# Altium PCB Proyecto0.PcbDoc (part 5 of 5)
Units mm, origin at the board's own origin, x right, y up, seen from the top; angles counter-clockwise.
Board outline 65 x 45 mm, 10 copper layers (TOP, GND[1], VDD[1], Signal[1], GND[2], VDD[2], Signal[2], GND[3], VDD[3], BOT), stack 2.029 mm thick; 188 components, 257 nets, 1107 pads, 1099 vias.
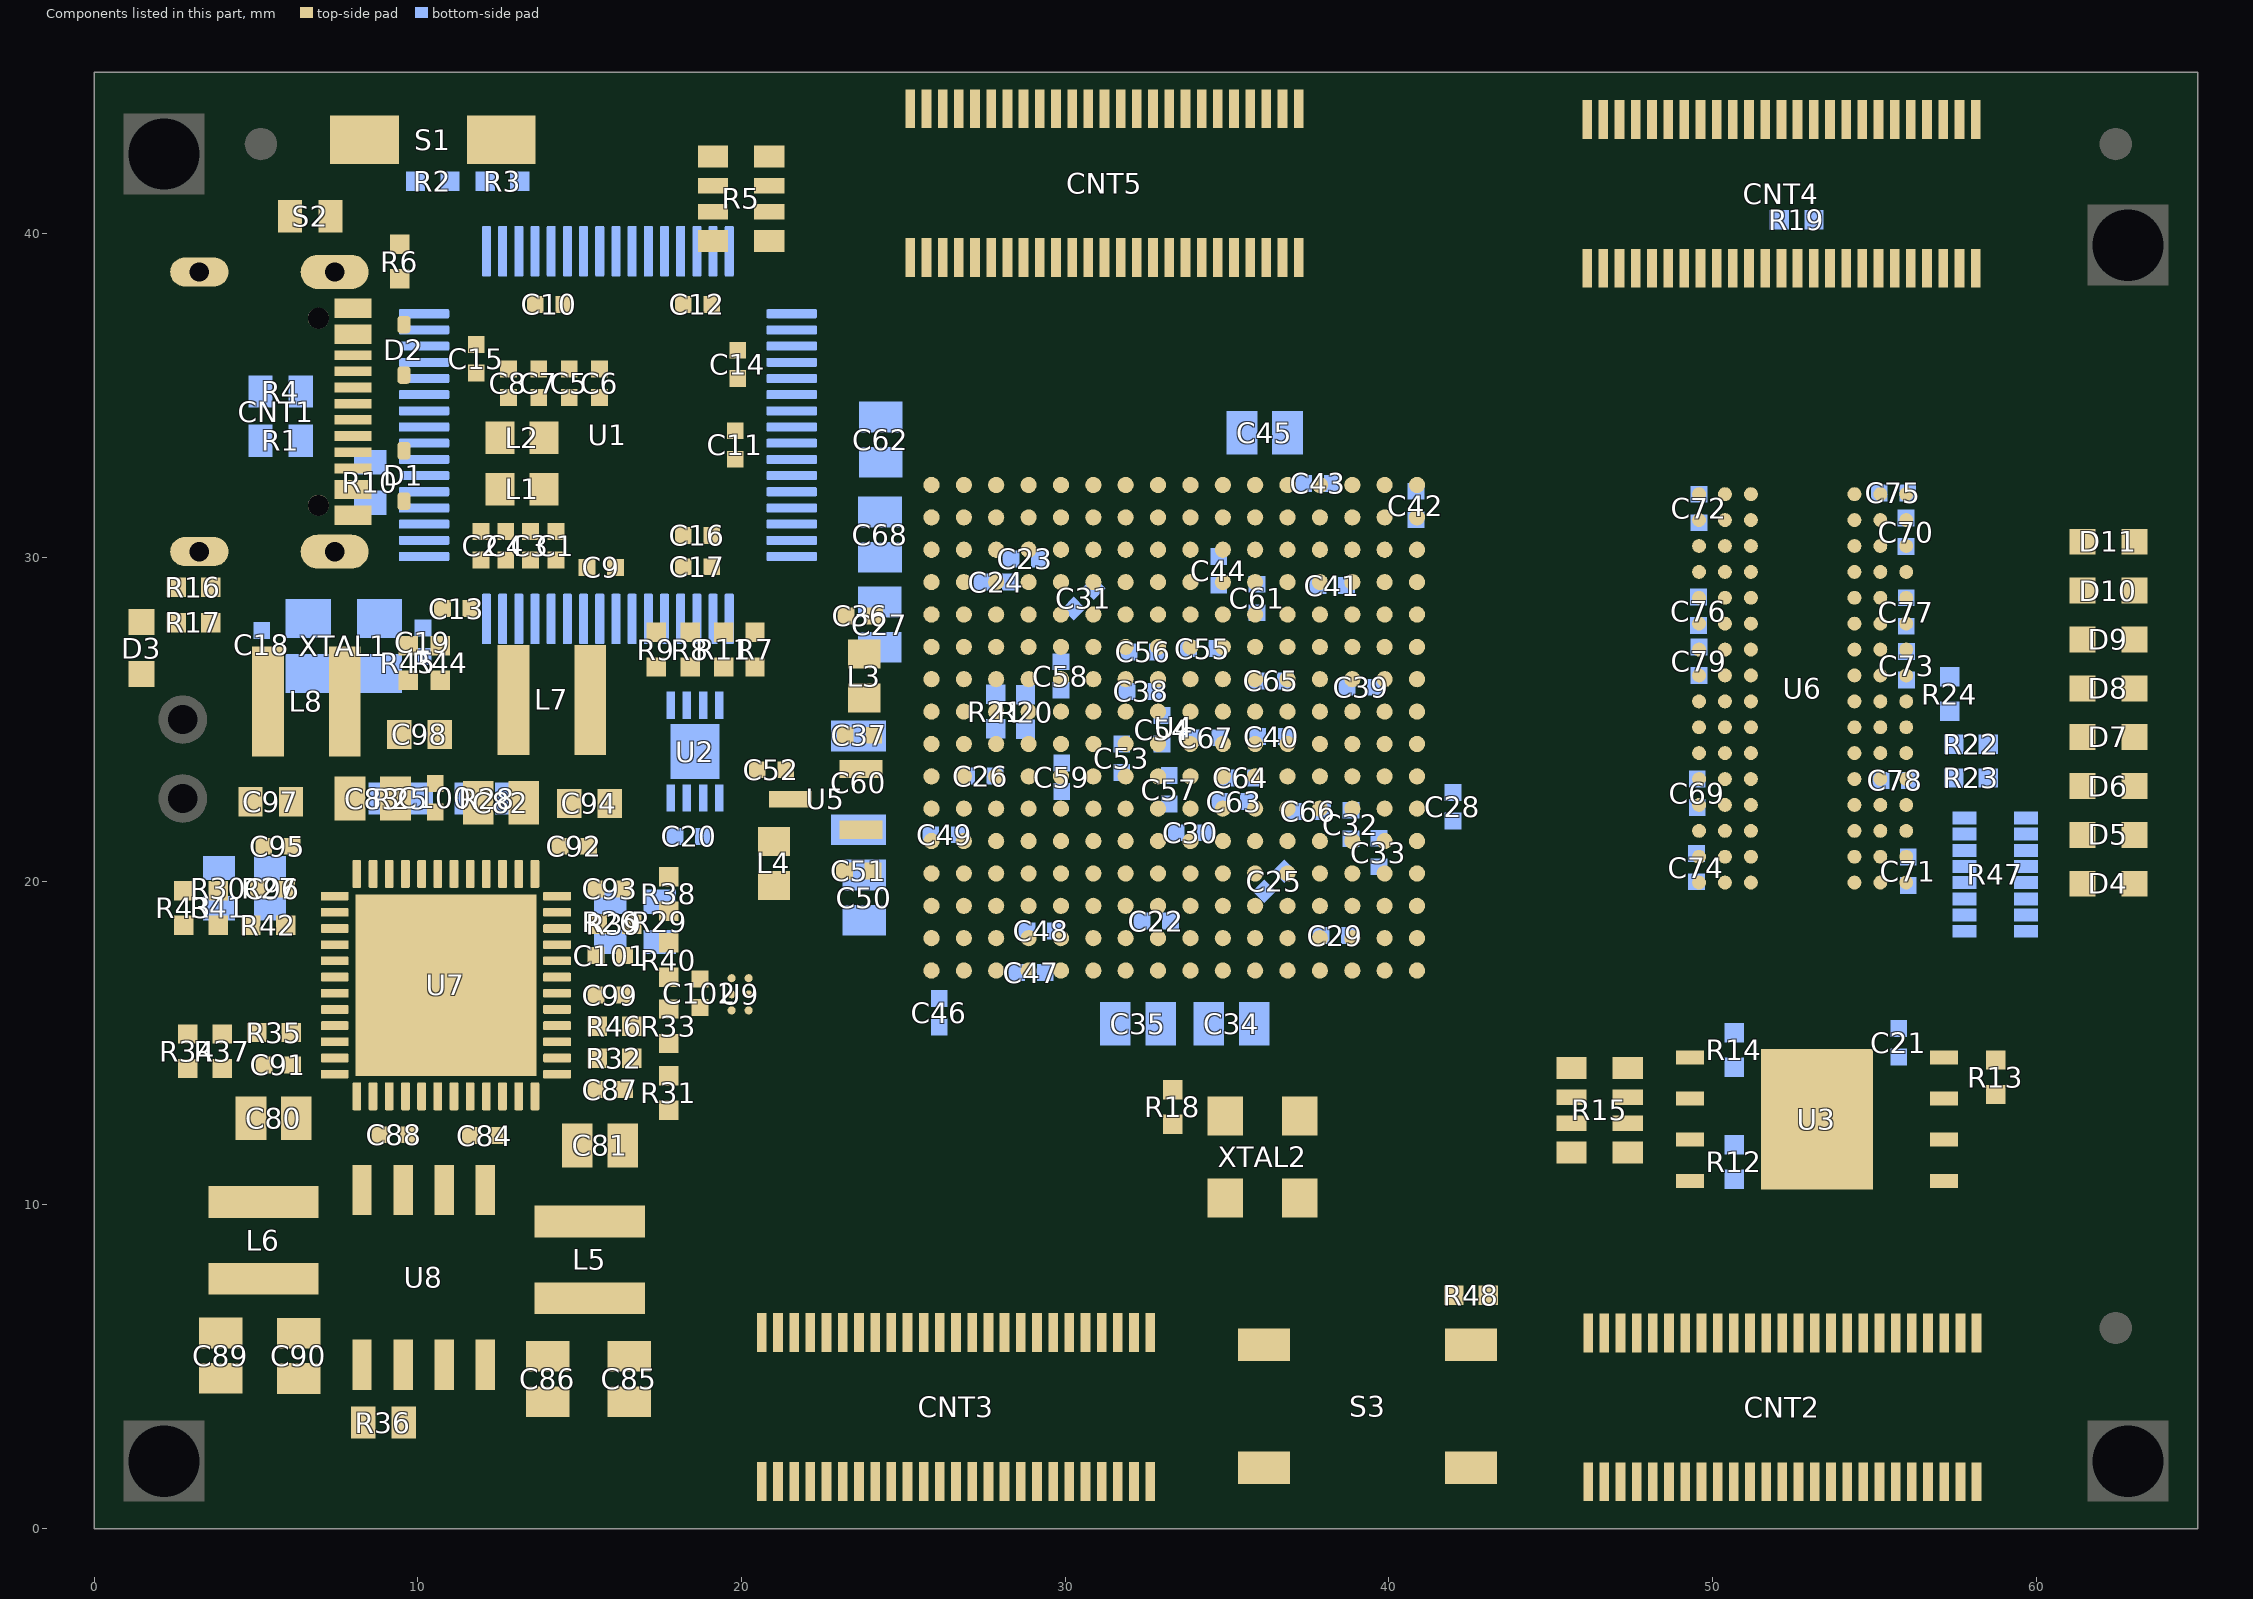
[diagram p13: the components of this part, seen from the top]

## Via types
v1: diameter 0.3, hole 0.25, TOP to BOT, tented both sides, 1081 vias
v2: diameter 0.3, hole 0.25, TOP to BOT, 18 vias

## Nets (pads, with @x,y where several pads share a name; then routed paths per layer and width w, separated by ;. In a path a pad name is that pad's centre, name@x,y a point inside that pad or via, vN(x,y) a via of type N, cw(c..) or ccw(c..) an arc to the next point about the centre after c; other vN are vias at no path point) (continued)
copper on no net: | length 12716.8
  TOP w0.025: 81.39,-79.811 152.728,-8.473 ; 81.39,-78.45 151.368,-8.473 ; 81.39,-77.09 150.007,-8.473 ; 81.39,-75.729 148.647,-8.473 ; 81.39,-74.369 147.286,-8.473 ; 81.39,-73.008 145.926,-8.473 ; 81.39,-71.648 144.565,-8.473 ; 81.39,-70.287 143.205,-8.473 ; 81.39,-68.926 141.844,-8.473 ; 81.39,-67.566 140.484,-8.473 ; 81.39,-66.205 139.123,-8.473 ; 81.39,-64.845 137.763,-8.473 ; 81.39,-63.484 136.402,-8.473 ; 81.39,-62.124 135.042,-8.473 ; 81.39,-60.763 133.681,-8.473 ; 81.39,-59.403 132.321,-8.473 ; 81.39,-58.042 130.96,-8.473 ; 81.39,-56.682 129.6,-8.473 ; 81.39,-55.321 128.239,-8.473 ; 81.39,-53.961 126.879,-8.473 ; 81.39,-52.6 125.518,-8.473 ; 81.39,-51.24 124.158,-8.473 ; 81.39,-49.879 122.797,-8.473 ; 81.39,-48.519 121.437,-8.473 ; 81.39,-47.158 120.076,-8.473 ; 81.39,-45.798 118.716,-8.473 ; 81.39,-44.437 117.355,-8.473 ; 81.39,-43.077 115.994,-8.473 ; 81.39,-41.716 114.634,-8.473 ; 81.39,-40.356 113.273,-8.473 ; 81.39,-38.995 111.913,-8.473 ; 81.39,-37.635 110.552,-8.473 ; 81.39,-36.274 109.192,-8.473 ; 81.39,-34.914 107.831,-8.473 ; 81.39,-33.553 106.471,-8.473 ; 81.39,-32.192 105.11,-8.473 ; 81.39,-30.832 103.75,-8.473 ; 81.39,-29.471 102.389,-8.473 ; 81.39,-28.111 101.029,-8.473 ; 81.39,-26.75 99.668,-8.473 ; 81.39,-25.39 98.308,-8.473 ; 81.39,-24.029 96.947,-8.473 ; 81.39,-22.669 95.587,-8.473 ; 81.39,-21.308 94.226,-8.473 ; 81.39,-19.948 92.866,-8.473 ; 81.39,-18.587 91.505,-8.473 ; 81.39,-17.227 90.145,-8.473 ; 81.39,-15.866 88.784,-8.473 ; 81.39,-14.506 87.424,-8.473 ; 81.39,-13.145 86.063,-8.473 ; 81.39,-11.785 84.703,-8.473 ; 81.39,-10.424 83.342,-8.473 ; 81.39,-9.064 81.982,-8.473 ; 82.584,-79.978 154.089,-8.473 ; 83.944,-79.978 155.45,-8.473 ; 85.305,-79.978 156.81,-8.473 ; 86.665,-79.978 158.171,-8.473 ; 88.026,-79.978 159.531,-8.473 ; 89.386,-79.978 160.892,-8.473 ; 90.747,-79.978 162.252,-8.473 ; 92.107,-79.978 163.613,-8.473 ; 93.468,-79.978 164.973,-8.473 ; 94.828,-79.978 166.334,-8.473 ; 96.189,-79.978 167.694,-8.473 ; 97.549,-79.978 169.055,-8.473 ; 98.91,-79.978 170.415,-8.473 ; 100.27,-79.978 171.776,-8.473 ; 101.631,-79.978 173.136,-8.473 ; 102.991,-79.978 174.497,-8.473 ; 104.352,-79.978 175.857,-8.473 ; 105.712,-79.978 177.218,-8.473 ; 107.073,-79.978 178.578,-8.473 ; 108.433,-79.978 179.939,-8.473 ; 109.794,-79.978 181.299,-8.473 ; 111.155,-79.978 182.66,-8.473 ; 112.515,-79.978 184.02,-8.473 ; 113.876,-79.978 184.636,-9.217 ; 115.236,-79.978 184.636,-10.578 ; 116.597,-79.978 184.636,-11.938 ; 117.957,-79.978 184.636,-13.299 ; 119.318,-79.978 184.636,-14.659 ; 120.678,-79.978 184.636,-16.02 ; 122.039,-79.978 184.636,-17.38 ; 123.399,-79.978 184.636,-18.741 ; 124.76,-79.978 184.636,-20.101 ; 126.12,-79.978 184.636,-21.462 ; 127.481,-79.978 184.636,-22.822 ; 128.841,-79.978 184.636,-24.183 ; 130.202,-79.978 184.636,-25.544 ; 131.562,-79.978 184.636,-26.904 ; 132.923,-79.978 184.636,-28.265 ; 134.283,-79.978 184.636,-29.625 ; 135.644,-79.978 184.636,-30.986 ; 137.004,-79.978 184.636,-32.346 ; 138.365,-79.978 184.636,-33.707 ; 139.725,-79.978 184.636,-35.067 ; 141.086,-79.978 184.636,-36.428 ; 142.446,-79.978 184.636,-37.788 ; 143.807,-79.978 184.636,-39.149 ; 145.167,-79.978 184.636,-40.509 ; 146.528,-79.978 184.636,-41.87 ; 147.889,-79.978 184.636,-43.23 ; 149.249,-79.978 184.636,-44.591 ; 150.61,-79.978 184.636,-45.951 ; 151.97,-79.978 184.636,-47.312 ; 153.331,-79.978 184.636,-48.672 ; 154.691,-79.978 184.636,-50.033 ; 156.052,-79.978 184.636,-51.393 ; 157.412,-79.978 184.636,-52.754 ; 158.773,-79.978 184.636,-54.114 ; 159.193,-7.4 161.507,-5.085 164.228,-2.364 166.949,0.357 169.671,3.078 172.392,5.799 175.113,8.52 177.834,11.241 180.555,13.962 183.276,16.683 184.636,18.044 ; 159.193,-6.039 160.147,-5.085 162.868,-2.364 165.589,0.357 168.31,3.078 171.031,5.799 173.752,8.52 176.473,11.241 179.194,13.962 181.915,16.683 184.636,19.404 ; 159.193,-4.679 161.507,-2.364 164.228,0.357 166.949,3.078 169.671,5.799 172.392,8.52 175.113,11.241 177.834,13.962 180.555,16.683 183.276,19.404 184.636,20.765 ; 159.193,-3.318 160.147,-2.364 162.868,0.357 165.589,3.078 168.31,5.799 171.031,8.52 173.752,11.241 176.473,13.962 179.194,16.683 181.915,19.404 184.636,22.125 ; 159.193,-1.958 161.507,0.357 164.228,3.078 166.949,5.799 169.671,8.52 172.392,11.241 175.113,13.962 177.834,16.683 180.555,19.404 183.276,22.125 184.636,23.486 ; 159.193,-0.597 160.147,0.357 162.868,3.078 165.589,5.799 168.31,8.52 171.031,11.241 173.752,13.962 176.473,16.683 179.194,19.404 181.915,22.125 184.636,24.846 ; 159.193,0.763 161.507,3.078 164.228,5.799 166.949,8.52 169.671,11.241 172.392,13.962 175.113,16.683 177.834,19.404 180.555,22.125 183.276,24.846 184.636,26.207 ; 159.193,2.124 160.147,3.078 162.868,5.799 165.589,8.52 168.31,11.241 171.031,13.962 173.752,16.683 176.473,19.404 179.194,22.125 181.915,24.846 184.636,27.567 ; 159.193,3.484 161.507,5.799 164.228,8.52 166.949,11.241 169.671,13.962 172.392,16.683 175.113,19.404 177.834,22.125 180.555,24.846 183.276,27.567 184.636,28.928 ; 159.193,4.845 160.147,5.799 162.868,8.52 165.589,11.241 168.31,13.962 171.031,16.683 173.752,19.404 176.473,22.125 179.194,24.846 181.915,27.567 184.636,30.288 ; 159.193,6.205 161.507,8.52 164.228,11.241 166.949,13.962 169.671,16.683 172.392,19.404 175.113,22.125 177.834,24.846 180.555,27.567 183.276,30.288 184.636,31.649 ; 159.193,7.566 160.147,8.52 162.868,11.241 165.589,13.962 168.31,16.683 171.031,19.404 173.752,22.125 176.473,24.846 179.194,27.567 181.915,30.288 184.636,33.009 ; 159.193,8.926 161.507,11.241 164.228,13.962 166.949,16.683 169.671,19.404 172.392,22.125 175.113,24.846 177.834,27.567 180.555,30.288 183.276,33.009 184.636,34.37 ; 159.193,10.287 160.147,11.241 162.868,13.962 165.589,16.683 168.31,19.404 171.031,22.125 173.752,24.846 176.473,27.567 179.194,30.288 181.915,33.009 184.636,35.73 ; 159.193,11.647 161.507,13.962 164.228,16.683 166.949,19.404 169.671,22.125 172.392,24.846 175.113,27.567 177.834,30.288 180.555,33.009 183.276,35.73 184.636,37.091 ; 159.193,13.008 160.147,13.962 162.868,16.683 165.589,19.404 168.31,22.125 171.031,24.846 173.752,27.567 176.473,30.288 179.194,33.009 181.915,35.73 184.636,38.451 ; 159.193,14.368 161.507,16.683 164.228,19.404 166.949,22.125 169.671,24.846 172.392,27.567 175.113,30.288 177.834,33.009 180.555,35.73 183.276,38.451 184.636,39.812 ; 159.193,15.729 160.147,16.683 162.868,19.404 165.589,22.125 168.31,24.846 171.031,27.567 173.752,30.288 176.473,33.009 179.194,35.73 181.915,38.451 184.636,41.172 ; 159.193,17.089 161.507,19.404 164.228,22.125 166.949,24.846 169.671,27.567 172.392,30.288 175.113,33.009 177.834,35.73 180.555,38.451 183.276,41.172 184.636,42.533 ; 159.193,18.45 160.147,19.404 162.868,22.125 165.589,24.846 168.31,27.567 171.031,30.288 173.752,33.009 176.473,35.73 179.194,38.451 181.915,41.172 184.636,43.894 ; 159.193,19.81 161.507,22.125 164.228,24.846 166.949,27.567 169.671,30.288 172.392,33.009 175.113,35.73 177.834,38.451 180.555,41.172 183.276,43.894 184.636,45.254 ; 159.193,21.171 160.147,22.125 162.868,24.846 165.589,27.567 168.31,30.288 171.031,33.009 173.752,35.73 176.473,38.451 179.194,41.172 181.915,43.894 184.636,46.615 ; 159.193,22.531 161.507,24.846 164.228,27.567 166.949,30.288 169.671,33.009 172.392,35.73 175.113,38.451 177.834,41.172 180.555,43.894 183.276,46.615 184.636,47.975 ; 159.193,23.892 160.147,24.846 162.868,27.567 165.589,30.288 168.31,33.009 171.031,35.73 173.752,38.451 176.473,41.172 179.194,43.894 181.915,46.615 184.636,49.336 ; 159.193,25.252 161.507,27.567 164.228,30.288 166.949,33.009 169.671,35.73 172.392,38.451 175.113,41.172 177.834,43.894 180.555,46.615 183.276,49.336 184.636,50.696 ; 159.193,26.613 160.147,27.567 162.868,30.288 165.589,33.009 168.31,35.73 171.031,38.451 173.752,41.172 176.473,43.894 179.194,46.615 181.915,49.336 184.636,52.057 ; 159.193,27.973 161.507,30.288 164.228,33.009 166.949,35.73 169.671,38.451 172.392,41.172 175.113,43.894 177.834,46.615 180.555,49.336 183.276,52.057 184.636,53.417 ; 159.193,29.334 160.147,30.288 162.868,33.009 165.589,35.73 168.31,38.451 171.031,41.172 173.752,43.894 176.473,46.615 179.194,49.336 181.915,52.057 184.636,54.778 ; 159.193,30.695 161.507,33.009 164.228,35.73 166.949,38.451 169.671,41.172 172.392,43.894 175.113,46.615 177.834,49.336 180.555,52.057 183.276,54.778 ; 159.193,32.055 160.147,33.009 162.868,35.73 165.589,38.451 168.31,41.172 171.031,43.894 173.752,46.615 176.473,49.336 179.194,52.057 181.915,54.778 ; 159.193,33.416 161.507,35.73 164.228,38.451 166.949,41.172 169.671,43.894 172.392,46.615 175.113,49.336 177.834,52.057 180.555,54.778 ; 159.193,34.776 160.147,35.73 162.868,38.451 165.589,41.172 168.31,43.894 171.031,46.615 173.752,49.336 176.473,52.057 179.194,54.778 ; 159.193,36.137 161.507,38.451 164.228,41.172 166.949,43.894 169.671,46.615 172.392,49.336 175.113,52.057 177.834,54.778 ; 159.193,37.497 160.147,38.451 162.868,41.172 165.589,43.894 168.31,46.615 171.031,49.336 173.752,52.057 176.473,54.778 ; 159.193,38.858 161.507,41.172 164.228,43.894 166.949,46.615 169.671,49.336 172.392,52.057 175.113,54.778 ; 159.193,40.218 160.147,41.172 162.868,43.894 165.589,46.615 168.31,49.336 171.031,52.057 173.752,54.778 ; 159.193,41.579 161.507,43.894 164.228,46.615 166.949,49.336 169.671,52.057 172.392,54.778 ; 159.193,42.939 160.147,43.894 162.868,46.615 165.589,49.336 168.31,52.057 171.031,54.778 ; 159.193,44.3 161.507,46.615 164.228,49.336 166.949,52.057 169.671,54.778 ; 159.193,45.66 160.147,46.615 162.868,49.336 165.589,52.057 168.31,54.778 ; 159.193,47.021 161.507,49.336 164.228,52.057 166.949,54.778 ; 159.193,48.381 160.147,49.336 162.868,52.057 165.589,54.778 ; 159.193,49.742 161.507,52.057 164.228,54.778 ; 159.193,51.102 160.147,52.057 162.868,54.778 ; 159.193,52.463 161.507,54.778 ; 159.193,53.823 160.147,54.778 ; 160.133,-79.978 184.636,-55.475 ; 160.147,-7.806 162.868,-5.085 165.589,-2.364 168.31,0.357 171.031,3.078 173.752,5.799 176.473,8.52 179.194,11.241 181.915,13.962 184.636,16.683 ; 161.494,-79.978 184.636,-56.835 ; 161.507,-7.806 164.228,-5.085 166.949,-2.364 169.671,0.357 172.392,3.078 175.113,5.799 177.834,8.52 180.555,11.241 183.276,13.962 184.636,15.323 ; 162.854,-79.978 184.636,-58.196 ; 162.868,-7.806 165.589,-5.085 168.31,-2.364 171.031,0.357 173.752,3.078 176.473,5.799 179.194,8.52 181.915,11.241 184.636,13.962 ; 164.215,-79.978 184.636,-59.556 ; 164.228,-7.806 166.949,-5.085 169.671,-2.364 172.392,0.357 175.113,3.078 177.834,5.799 180.555,8.52 183.276,11.241 184.636,12.602 ; 165.575,-79.978 184.636,-60.917 ; 165.589,-7.806 168.31,-5.085 171.031,-2.364 173.752,0.357 176.473,3.078 179.194,5.799 181.915,8.52 184.636,11.241 ; 166.936,-79.978 184.636,-62.277 ; 166.949,-7.806 169.671,-5.085 172.392,-2.364 175.113,0.357 177.834,3.078 180.555,5.799 183.276,8.52 184.636,9.881 ; 168.296,-79.978 184.636,-63.638 ; 168.31,-7.806 171.031,-5.085 173.752,-2.364 176.473,0.357 179.194,3.078 181.915,5.799 184.636,8.52 ; 169.657,-79.978 184.636,-64.999 ; 169.671,-7.806 172.392,-5.085 175.113,-2.364 177.834,0.357 180.555,3.078 183.276,5.799 184.636,7.16 ; 171.017,-79.978 184.636,-66.359 ; 171.031,-7.806 173.752,-5.085 176.473,-2.364 179.194,0.357 181.915,3.078 184.636,5.799 ; 172.378,-79.978 184.636,-67.72 ; 172.392,-7.806 175.113,-5.085 177.834,-2.364 180.555,0.357 183.276,3.078 184.636,4.439 ; 173.738,-79.978 184.636,-69.08 ; 173.752,-7.806 176.473,-5.085 179.194,-2.364 181.915,0.357 184.636,3.078 ; 175.099,-79.978 184.636,-70.441 ; 175.113,-7.806 177.834,-5.085 180.555,-2.364 183.276,0.357 184.636,1.717 ; 176.459,-79.978 184.636,-71.801 ; 176.473,-7.806 179.194,-5.085 181.915,-2.364 184.636,0.357 ; 177.82,-79.978 184.636,-73.162 ; 177.834,-7.806 180.555,-5.085 183.276,-2.364 184.636,-1.004 ; 179.18,-79.978 184.636,-74.522 ; 179.194,-7.806 181.915,-5.085 184.636,-2.364 ; 180.541,-79.978 184.636,-75.883 ; 180.555,-7.806 183.276,-5.085 184.636,-3.725 ; 181.901,-79.978 184.636,-77.243 ; 181.915,-7.806 184.636,-5.085 ; 183.262,-79.978 184.636,-78.604 ; 183.276,-7.806 184.636,-6.446
  TOP w0.152: 35.873,25.241 35.902,25.241
  TOP w0.381: 81.39,-5.085 90.74,-5.085 111.877,-5.085 131.427,-5.085 146.216,-5.085 159.193,-5.085 184.636,-5.085 ; 81.39,-2.364 90.74,-2.364 111.877,-2.364 131.427,-2.364 146.216,-2.364 159.193,-2.364 184.636,-2.364 ; 81.39,0.357 90.74,0.357 111.877,0.357 131.427,0.357 146.216,0.357 159.193,0.357 184.636,0.357 ; 81.39,3.078 90.74,3.078 111.877,3.078 131.427,3.078 146.216,3.078 159.193,3.078 184.636,3.078 ; 81.39,5.799 90.74,5.799 111.877,5.799 131.427,5.799 146.216,5.799 159.193,5.799 184.636,5.799 ; 81.39,8.52 90.74,8.52 111.877,8.52 131.427,8.52 146.216,8.52 159.193,8.52 184.636,8.52 ; 81.39,11.241 90.74,11.241 111.877,11.241 131.427,11.241 146.216,11.241 159.193,11.241 184.636,11.241 ; 81.39,13.962 90.74,13.962 111.877,13.962 131.427,13.962 146.216,13.962 159.193,13.962 184.636,13.962 ; 81.39,16.683 90.74,16.683 111.877,16.683 131.427,16.683 146.216,16.683 159.193,16.683 184.636,16.683 ; 81.39,19.404 90.74,19.404 111.877,19.404 131.427,19.404 146.216,19.404 159.193,19.404 184.636,19.404 ; 81.39,22.125 90.74,22.125 111.877,22.125 131.427,22.125 146.216,22.125 159.193,22.125 184.636,22.125 ; 81.39,24.846 90.74,24.846 111.877,24.846 131.427,24.846 146.216,24.846 159.193,24.846 184.636,24.846 ; 81.39,27.567 90.74,27.567 111.877,27.567 131.427,27.567 146.216,27.567 159.193,27.567 184.636,27.567 ; 81.39,30.288 90.74,30.288 111.877,30.288 131.427,30.288 146.216,30.288 159.193,30.288 184.636,30.288 ; 81.39,33.009 90.74,33.009 111.877,33.009 131.427,33.009 146.216,33.009 159.193,33.009 184.636,33.009 ; 81.39,35.73 90.74,35.73 111.877,35.73 131.427,35.73 146.216,35.73 159.193,35.73 184.636,35.73 ; 81.39,38.451 90.74,38.451 111.877,38.451 131.427,38.451 146.216,38.451 159.193,38.451 184.636,38.451 ; 81.39,41.172 90.74,41.172 111.877,41.172 131.427,41.172 146.216,41.172 159.193,41.172 184.636,41.172 ; 81.39,43.894 90.74,43.894 111.877,43.894 131.427,43.894 146.216,43.894 159.193,43.894 184.636,43.894 ; 81.39,46.615 90.74,46.615 111.877,46.615 131.427,46.615 146.216,46.615 159.193,46.615 184.636,46.615 ; 81.39,49.336 90.74,49.336 111.877,49.336 131.427,49.336 146.216,49.336 159.193,49.336 184.636,49.336 ; 81.39,52.057 90.74,52.057 111.877,52.057 131.427,52.057 146.216,52.057 159.193,52.057 184.636,52.057 ; 81.39,54.778 184.636,54.778 ; 90.74,57.499 90.74,-7.806 ; 111.877,57.499 111.877,-7.806 ; 131.427,57.499 131.427,-7.806 ; 146.216,57.499 146.216,-7.806 ; 159.193,57.499 159.193,-7.806 ; 90.74,-7.806 81.39,-7.806 81.39,57.499 184.636,57.499 184.636,-7.806 159.193,-7.806 ; 90.74,-7.806 111.877,-7.806 ; 111.877,-7.806 131.427,-7.806 ; 131.427,-7.806 146.216,-7.806 ; 146.216,-7.806 159.193,-7.806 ; 81.39,-79.964 184.636,-79.964 184.636,-8.486 81.39,-8.486 81.39,-14.84 81.39,-79.964

## Polygon pours and split planes (outlines as drawn)
NetR7_1 on TOP "NETR7_1_L01_P154" (solid, pour order 154): 19.126,26.924 20.752,26.924 20.752,26.289 19.126,26.289
GND on TOP "GND_L01_P213" (solid, remove dead copper, pour order 213): 0,41 0,45 65,45 65,0 0,0
+3V3 on TOP "+3V3_L01_P143" (solid, pour order 143): 17.374,4.775 13.183,4.775 13.183,7.671 17.374,7.671
NetC84_2 on TOP "TOP-NetC85_2" (solid, pour order 141): 10.414,8.788 17.399,8.788 17.399,10.744 12.802,10.744 12.802,13.818 11.938,13.818 11.938,12.827 12.167,12.827 12.167,11.278 10.439,11.278 10.414,11.278
NetC88_2 on TOP "TOP-NetC89_2" (solid, pour order 140): 2.794,9.525 9.957,9.525 9.957,11.43 9.296,11.43 9.296,13.792 8.458,13.792 8.458,11.43 2.794,11.43
+1V on TOP "+1V_L01_P139" (solid, pour order 139): 7.264,5.461 3.073,5.461 3.073,8.357 7.264,8.357
GND on TOP "GND_L01_P144" (solid, pour order 144): 17.526,4.445 17.526,3.175 10.338,3.175 10.338,5.969 11.43,5.969 11.43,4.064 12.929,4.064 12.929,4.445
GND on TOP "TOP-GND" (solid, pour order 142): 7.239,3.968 7.239,2.743 8.763,2.743 8.763,4.013 8.763,5.969 7.874,5.969 7.874,5.232 7.29,5.232 3.073,5.232 3.073,3.968
NetR38_1 on TOP "NETR38_1_L01_P208" (solid, pour order 208): 17.424,19.38 17.424,17.78 18.796,17.78 18.796,19.38
VPLL on TOP "VPLL_L01_P206" (solid, pour order 206): 13.081,33.147 13.081,34.544 16.002,34.544 16.002,35.306 12.192,35.306 11.557,34.671 11.557,33.909 11.938,33.528 11.938,33.147
VPHY on TOP "VPHY_L01_P205" (solid, pour order 205): 14.605,31.115 14.605,30.48 11.049,30.48 11.049,31.648 11.074,31.648 12.192,32.766 13.081,32.766 13.081,31.115
+3V3 on TOP "+3V3_L01_P204" (solid, pour order 204): 52.324,38.278 51.918,38.278 51.918,39.954 49.657,39.954 49.657,41.021 52.324,41.021
+5V on TOP "+5V_L01_P201" (solid, pour order 201): 13.64,43.637 13.64,42.139 10.668,42.139 10.668,43.637
+3V3 on TOP "+3V3_L01_P187" (solid, pour order 187): 42.418,7.747 42.418,6.756 40.767,6.756 40.767,7.747
RESET on TOP "TOP-+3V3" (solid, pour order 181): 34.95,4.953 44.069,4.953 44.069,7.823 42.545,7.823 42.545,6.629 34.95,6.629
BVUS_PROTECTED on TOP "TOP-BVUS_PROTECTED" (solid, pour order 178): 10.16,42.037 10.16,43.815 6.858,43.815 6.858,39.878 8.382,39.878 8.382,42.037
+3V3 on TOP "+3V3_L01_P159" (solid, pour order 159): 59.411,15.113 56.642,15.113 56.642,14.097 59.411,14.097
+1V8 on TOP "+1V8_L01_P152" (solid, pour order 152): 14.815,27.33 14.815,23.851 15.494,23.851 15.494,21.92 16.916,21.92 16.916,27.33
+1V35 on TOP "+1V35_L01_P147" (solid, pour order 147): 3.658,27.076 4.14,27.076 4.14,27.432 5.969,27.432 5.969,23.8 5.232,23.8 5.232,21.971 3.658,21.971
+5V on TOP "TOP-+5V" (solid, pour order 135): 5.551,11.887 7.126,11.887 7.126,12.667 7.134,12.675 8.306,12.675 8.306,13.792 7.899,13.792 7.899,14.808 6.96,14.808 6.96,13.792 5.551,13.792
AGND on TOP "TOP-AGND" (solid, pour order 158): 22.352,19.939 23.495,19.939 23.495,20.955 22.581,20.955 22.581,22.86 20.828,22.86 20.828,23.927 20.091,23.927 20.091,22.225 20.091,20.752 22.352,20.752
+5V on TOP "+5V_L01_P138" (solid, pour order 138): 12.954,13.818 12.954,12.7 12.954,11.049 15.494,11.049 15.494,12.675 13.868,12.675 13.843,12.7 13.843,13.818
+1V8' on TOP "+1V8'_L01_P170" (solid, pour order 170): 10.236,26.67 11.125,26.67 11.125,23.927 10.236,23.927
DONE on TOP "DONE_L01_P188" (solid, pour order 188): 4.064,27.534 3.175,27.534 3.175,29.54 4.445,29.54 4.445,28.6 4.064,28.6
BVUS on TOP "TOP-BVUS" (solid, pour order 163): 7.341,37.262 7.194,37.116 cw(c6.934,37.376) 6.934,37.008 cw(c6.934,37.376) 6.674,37.116 6.528,37.262 5.969,37.262 5.969,39.802 6.528,39.802 6.528,41.199 4.445,41.199 4.445,31.775 6.553,31.775 6.674,31.896 cw(c6.934,31.636) 6.934,32.004 cw(c6.934,31.636) 7.194,31.896 7.315,31.775 8.636,31.775 8.636,32.436 6.604,32.436 6.604,36.551 8.636,36.551 8.636,37.262
+1V25_VREF_ADC on TOP "+1V25_VREF_ADC_L01_P203" (solid, pour order 203): 52.934,44.196 52.934,41.275 54.452,41.275 54.452,42.164 53.34,42.164 53.34,44.196
AGND on TOP "AGND_L01_P202" (solid, pour order 202): 52.832,44.196 52.832,41.275 51.308,41.275 51.308,42.164 52.426,42.164 52.426,44.196
+1V8 on TOP "+1V8_L01_P182" (solid, pour order 182): 50.909,42.494 50.909,44.198 51.849,44.198 51.849,42.494
QSPI_DATA3_T on TOP "QSPI_DATA3_T_L01_P160" (solid, pour order 160): 59.411,13.863 56.642,13.863 56.642,12.847 59.411,12.847
GND on TOP "GND_L01_P218" (solid, pour order 218): 7.112,19.685 7.122,19.685 7.874,19.685 7.874,19.583 8.077,19.583 8.077,19.406 7.01,19.406 7.01,19.685
GND on TOP "GND_L01_P217" (solid, pour order 217): 14.732,14.681 14.732,14.402 13.564,14.402 13.564,14.681
GND on TOP "GND_L01_P216" (solid, pour order 216): 12.929,20.625 13.284,20.625 13.284,19.38 12.929,19.38
GND on TOP "GND_L01_P215" (solid, pour order 215): 8.458,19.507 8.458,20.726 8.788,20.726 8.788,19.507
+3V3 on TOP "+3V3_L01_P189" (solid, pour order 189): 45.466,43.637 45.923,43.637 45.923,42.85 46.33,42.85 46.33,44.196 45.466,44.196
+1V8_VCC_ADC on TOP "+1V8_VCC_ADC_L01_P156" (solid, pour order 156): 24.409,24.181 24.409,26.162 22.733,26.162 22.733,25.146 23.8,25.146 23.8,24.181
GND on TOP "GND_L01_P145" (solid, pour order 145): 15.773,12.649 16.967,12.649 16.967,12.37 18.186,12.37 18.186,11.024 15.773,11.024
+3V3 on TOP "+3V3_L01_P146" (solid, pour order 146): 17.297,13.335 18.669,13.335 18.669,12.497 17.297,12.497
+1V8' on TOP "+1V8'_L01_P155" (solid, pour order 155): 24.409,28.473 24.409,26.518 22.479,26.518 22.479,27.508 23.774,27.508 23.774,28.473
GND on TOP "GND_L01_P166" (solid, pour order 166): 34.874,3.429 34.874,0.838 43.764,0.838 43.764,3.429
GND on TOP "GND_L01_P169" (solid, pour order 169): 21.666,20.472 21.666,18.923 20.295,18.923 20.295,20.472
+3V3 on TOP "+3V3_L01_P171" (solid, pour order 171): 18.288,16.485 19.152,16.485 19.152,16.256 19.939,16.256 19.939,15.494 18.288,15.494
GND on TOP "GND_L01_P179" (solid, pour order 179): 8.636,31.648 8.636,29.591 6.223,29.591 6.223,31.115 7.366,31.115 7.366,31.648
GND on TOP "GND_L01_P180" (solid, pour order 180): 8.636,37.338 8.636,39.395 6.223,39.395 6.223,37.871 7.366,37.871 7.366,37.338
GND on TOP "GND_L01_P183" (solid, pour order 183): 36.246,12.014 37.973,12.014 37.973,13.538 36.246,13.538
+5V on TOP "+5V_L01_P207" (solid, pour order 207): 12.344,19.736 12.344,21.717 12.344,23.089 11.379,23.089 11.379,21.742 11.938,21.742 11.938,19.736
+3V3 on TOP "TOP-+3V3 2" (solid, pour order 210): 25.019,20.828 24.79,20.828 24.79,21.336 25.019,21.336
+3V3 on TOP "TOP-+3V3 1" (solid, pour order 184): 33.401,9.042 38.024,9.042 38.024,11.557 34.214,11.557 34.214,13.03 32.766,13.03 32.766,11.557 33.401,11.557
+3V3 on TOP "TOP-+3V3 2" (solid, pour order 209): 22.885,22.098 24.333,22.098 24.333,19.939 23.546,19.939 23.546,21.082 22.885,21.082
+1V25_VREF_ADC on TOP "TOP-+1V25_VREF_ADC" (solid, pour order 191): 22.098,23.876 24.536,23.876 24.536,22.657 23.114,22.657 23.114,23.089 20.955,23.089 20.955,24.384 22.098,24.384
VREG on TOP "TOP-VREG" (solid, pour order 137): 14.859,17.221 15.265,17.221 15.265,17.399 16.002,17.399 16.002,18.085 15.215,18.085 15.215,17.78 13.843,17.78 13.843,16.815 14.859,16.815
GND on TOP "TOP-GND 1" (solid, pour order 148): 16.078,15.062 17.272,15.062 17.272,15.697 18.237,15.697 18.237,16.637 19.05,16.637 19.05,17.374 18.11,17.374 17.323,17.374 17.323,18.085 16.078,18.085
+3V3 on BOT "+3V3_L10_P192" (solid, pour order 192): 25.476,26.797 25.121,26.797 25.121,26.67 23.495,26.67 23.495,27.813 25.121,27.813 25.121,27.229 25.476,27.229
GND on BOT "GND_L10_P212" (solid, remove dead copper, pour order 212): 0,41 0,45 65,45 65,0 0,0
Enable_CH3 on BOT "ENABLE_CH3_L10_P151" (solid, pour order 151): 15.418,19.761 18.009,19.761 18.009,18.974 15.418,18.974
NetR2_1 on BOT "NETR2_1_L10_P165" (solid, pour order 165): 10.541,42.037 12.573,42.037 12.573,41.148 10.541,41.148
BVUS_PROTECTED on BOT "BVUS_PROTECTED_L10_P164" (solid, pour order 164): 10.338,41.173 9.398,41.173 9.398,43.713 10.338,43.713
+3V3 on BOT "+3V3_L10_P161" (solid, pour order 161): 50.089,16.256 50.089,14.948 51.689,14.948 51.689,16.256
+3V3 on BOT "+3V3_L10_P190" (solid, pour order 190): 52.511,40.889 49.784,40.889 49.784,39.954 52.511,39.954
+1V8 on BOT "+1V8_L10_P194" (solid, pour order 194): 23.571,29.489 25.527,29.489 25.527,29.972 25.527,30.505 23.571,30.505
GND on BOT "GND_L10_P149" (solid, pour order 149): 12.344,23.19 14.351,23.19 14.351,21.59 13.589,21.59 13.589,21.996 12.344,21.996
Enable_CH1y5 on BOT "ENABLE_CH1Y5_L10_P150" (solid, pour order 150): 9.652,23.114 12.014,23.114 12.014,21.971 9.652,21.971
Enable_CH4 on BOT "ENABLE_CH4_L10_P153" (solid, pour order 153): 3.327,19.558 5.969,19.558 5.969,18.771 3.327,18.771
GND on BOT "GND_L10_P157" (solid, pour order 157): 22.606,20.955 22.606,22.606 24.638,22.606 24.638,20.955
+3V3 on BOT "+3V3_L10_P162" (solid, pour order 162): 51.257,10.109 51.257,11.151 49.962,11.151 49.962,10.109
GND on BOT "GND_L10_P167" (solid, pour order 167): 22.962,17.841 23.8,17.841 23.8,18.237 24.649,18.237 24.649,19.304 22.962,19.304
+3V3/+1V8 on BOT "+3V3/+1V8_L10_P168" (solid, pour order 168): 22.962,20.777 25.019,20.777 25.019,19.545 22.962,19.545
+1V on BOT "+1V_L10_P172" (solid, pour order 172): 16.51,18.567 16.51,17.602 16.129,17.602 16.129,17.018 15.24,17.018 15.24,18.542 15.215,18.567
0V75 on BOT "0V75_L10_P173" (solid, pour order 173): 56.998,24.689 57.912,24.689 57.912,22.733 56.998,22.733
+1V35 on BOT "+1V35_L10_P174" (solid, pour order 174): 58.039,25.019 58.928,25.019 58.928,23.749 58.039,23.749
GND on BOT "GND_L10_P175" (solid, pour order 175): 58.039,23.647 58.039,22.352 58.928,22.352 58.928,23.647
+1V35 on BOT "+1V35_L10_P177" (solid, pour order 177): 36.246,33.122 37.503,33.122 37.503,33.401 37.897,33.401 37.897,34.671 36.246,34.671
GND on BOT "GND_L10_P185" (solid, pour order 185): 32.385,16.383 32.385,14.021 33.274,14.021 33.274,14.757 33.553,14.757 33.553,16.383
GND on BOT "GND_L10_P186" (solid, pour order 186): 35.027,14.478 34.163,14.478 34.163,14.859 33.782,14.859 33.782,16.383 35.027,16.383
GND on BOT "GND_L10_P193" (solid, pour order 193): 23.114,28.626 23.597,28.626 23.597,28.092 24.994,28.092 24.994,29.159 23.114,29.159
GND on BOT "GND_L10_P195" (solid, pour order 195): 25.019,33.466 23.571,33.466 23.571,30.861 25.019,30.861 25.019,32.348
+1V on BOT "+1V_L10_P196" (solid, pour order 196): 25.019,33.822 23.571,33.822 23.571,35.244 24.079,35.244 24.079,34.939 25.019,34.939
12MHz_XTAL_P on BOT "12MHZ_XTAL_P_L10_P197" (solid, pour order 197): 4.851,27.178 7.366,27.178 7.366,25.654 4.851,25.654
no net on BOT "NONET_L10_P198" (solid, pour order 198): 4.851,27.178 7.366,27.178 7.366,25.654 4.851,25.654
GND on BOT "GND_L10_P199" (solid, pour order 199): 4.851,28.878 7.366,28.878 7.366,27.354 4.851,27.354
GND on BOT "GND_L10_P200" (solid, pour order 200): 8.103,25.4 9.398,25.4 10.16,25.4 10.185,25.425 10.185,26.543 10.541,26.543 10.541,27.305 8.103,27.305
GND on Signal[2] "GND_L07_P214" (solid, remove dead copper, pour order 214): 0,41 0,45 65,45 65,0 0,0
GND on Signal[1] "GND_L04_P211" (solid, remove dead copper, pour order 211): 0,41 0,45 65,45 65,0 0,0
GND on GND[1] (split plane): 64.489,0.51 0.51,0.51 0.51,41 0.51,44.49 64.489,44.49
+3V3 on VDD[1] (split plane): 64.489,0.51 0.51,0.51 0.51,41 0.51,44.49 64.489,44.49
VCORE on VDD[1] (split plane): 12.495,30.988 12.501,30.958 12.518,30.933 12.543,30.916 12.573,30.91 18.694,30.91 18.724,30.916 18.749,30.933 18.766,30.958 18.772,30.988 18.772,31.623 18.772,35.914 20.826,35.914 20.826,33.656 20.142,33.656 20.112,33.651 20.087,33.634 20.07,33.609 20.064,33.579 20.064,32.715 20.07,32.685 20.087,32.66 20.112,32.643 20.142,32.637 20.801,32.637 20.801,29.77 14.859,29.77 14.829,29.764 14.804,29.748 14.787,29.722 14.781,29.693 14.781,28.602 10.314,28.602 10.314,36.397 12.495,36.397
+1V8' on VDD[1] (split plane): 23.417,26.646 20.853,26.646 20.824,26.64 20.798,26.623 20.782,26.598 20.776,26.568 20.776,24.919 10.161,24.919 10.161,26.313 19.736,26.313 19.765,26.319 19.791,26.336 19.808,26.361 19.813,26.391 19.813,27.557 20.237,27.557 20.443,27.352 20.468,27.335 20.498,27.329 22.327,27.329 22.356,27.335 22.381,27.352 22.587,27.557 23.417,27.557
+3V3/+1V8 on VDD[1] (split plane): 28.751,18.313 28.751,15.47 20.144,15.47 20.144,16.503 24.416,20.776 25.883,20.776 25.912,20.782 25.937,20.798 27.083,21.944 28.751,21.944
+1V8_VCC_ADC on VDD[1] (split plane): 33.399,24.919 20.931,24.919 20.931,26.491 25.832,26.491 25.861,26.497 25.887,26.513 25.904,26.539 25.909,26.568 25.909,27.557 33.399,27.557
0V75 on VDD[1] (split plane): 55.802,23.192 49.582,23.192 49.582,25.578 49.582,26.389 55.802,26.389
GND on GND[2] (split plane): 64.489,0.51 0.51,0.51 0.51,41 0.51,44.49 64.489,44.49
+5V on VDD[2] (split plane): 64.489,0.51 0.51,0.51 0.51,41 0.51,44.49 64.489,44.49
+1V25_VREF_ADC on VDD[2] (split plane): 54.481,38.675 41.097,38.675 41.067,38.669 41.042,38.653 41.025,38.627 41.019,38.598 41.019,34.952 33.757,34.952 33.727,34.946 33.702,34.929 33.685,34.904 33.679,34.874 33.679,22.149 33.679,19.153 21.007,19.153 21.007,23.468 26.11,23.468 26.11,22.176 22.811,22.176 22.811,22.987 22.805,23.017 22.788,23.042 22.763,23.059 22.733,23.065 21.844,23.065 21.814,23.059 21.789,23.042 21.772,23.017 21.766,22.987 21.766,20.066 21.772,20.036 21.789,20.011 21.814,19.994 21.844,19.988 32.106,19.988 32.135,19.994 32.16,20.011 32.177,20.036 32.183,20.066 32.183,24.257 32.183,36.574 38.989,36.574 39.019,36.58 39.044,36.597 39.061,36.622 39.067,36.652 39.067,37.744 39.067,40.13 52.807,40.13 52.836,40.136 52.861,40.153 52.878,40.178 52.884,40.208 52.884,42.24 52.878,42.27 52.861,42.295 52.836,42.312 52.814,42.316 52.836,42.321 52.861,42.338 52.878,42.363 52.884,42.393 52.884,43.001 54.481,43.001
AGND on VDD[2] (split plane): 52.777,42.312 52.752,42.295 52.735,42.27 52.729,42.24 52.729,40.286 38.989,40.286 38.959,40.28 38.934,40.263 38.917,40.238 38.911,40.208 38.911,37.744 38.911,36.73 32.106,36.73 32.076,36.724 32.051,36.707 32.034,36.682 32.028,36.652 32.028,24.257 32.028,20.144 21.922,20.144 21.922,22.909 22.655,22.909 22.655,22.098 22.661,22.068 22.678,22.043 22.703,22.026 22.733,22.02 29.873,22.02 29.902,22.026 29.928,22.043 29.945,22.068 29.95,22.098 29.95,26.063 29.95,37.667 37.643,37.667 37.672,37.673 37.698,37.689 37.715,37.715 37.72,37.744 37.72,42.315 52.792,42.315
GND on GND[3] (split plane): 64.489,0.51 0.51,0.51 0.51,41 0.51,44.49 64.489,44.49
+1V35 on VDD[3] (split plane): 64.489,0.51 0.51,0.51 0.51,5.282 8.839,5.282 8.869,5.288 8.894,5.304 8.911,5.33 8.917,5.359 8.917,12.622 25.832,12.622 25.861,12.628 25.887,12.645 25.904,12.67 25.909,12.7 25.909,21.106 36.957,21.106 36.987,21.112 37.012,21.129 37.029,21.154 37.035,21.184 37.035,23.851 37.035,24.103 37.719,24.103 37.749,24.109 37.774,24.126 37.791,24.151 37.797,24.181 37.797,29.234 48.285,29.234 48.315,29.24 48.34,29.257 48.357,29.282 48.363,29.312 48.363,41.553 51.486,41.553 51.515,41.559 51.541,41.576 51.558,41.601 51.563,41.631 51.563,42.113 51.563,43.18 51.558,43.21 51.541,43.235 51.515,43.252 51.486,43.258 46.38,43.258 46.351,43.252 46.325,43.235 46.309,43.21 46.303,43.18 46.303,30.329 34.393,30.329 34.393,36.424 34.387,36.453 34.37,36.479 34.345,36.495 34.315,36.501 22.073,36.501 22.043,36.495 22.018,36.479 22.001,36.453 21.995,36.424 21.995,28.475 15.494,28.475 15.464,28.469 15.439,28.452 15.422,28.427 15.416,28.397 15.416,21.795 0.51,21.795 0.51,41 0.51,44.49 64.489,44.49
+1V on VDD[3] (split plane): 24.636,29.286 24.642,29.256 24.659,29.231 24.684,29.214 24.714,29.208 36.651,29.208 36.651,27.306 34.823,27.306 34.794,27.301 34.768,27.284 34.752,27.259 34.746,27.229 34.746,26.162 34.752,26.132 34.768,26.107 34.794,26.09 34.823,26.084 36.651,26.084 36.651,24.741 34.747,24.741 34.717,24.735 34.692,24.718 34.675,24.693 34.669,24.663 34.669,21.261 25.832,21.261 25.802,21.255 25.777,21.239 25.76,21.213 25.754,21.184 25.754,12.778 8.839,12.778 8.809,12.772 8.784,12.755 8.767,12.73 8.761,12.7 8.761,5.437 0.51,5.437 0.51,15.721 14.376,15.721 14.406,15.727 14.431,15.744 14.448,15.769 14.454,15.799 14.454,18.058 17.55,18.058 17.55,15.85 17.552,15.837 17.55,15.824 17.556,15.794 17.573,15.769 17.598,15.752 17.628,15.746 23.266,15.746 23.296,15.752 23.321,15.769 23.338,15.794 23.344,15.824 23.344,35.685 24.636,35.685
+1V8 on VDD[3] (split plane): 51.408,42.113 51.408,42.037 51.408,41.708 48.285,41.708 48.256,41.702 48.23,41.686 48.214,41.66 48.208,41.631 48.208,29.389 37.719,29.389 37.689,29.383 37.664,29.367 37.647,29.341 37.641,29.312 37.641,24.258 36.957,24.258 36.927,24.253 36.902,24.236 36.885,24.211 36.879,24.181 36.882,24.168 36.879,24.155 36.879,23.851 36.879,21.261 34.825,21.261 34.825,24.586 36.728,24.586 36.758,24.592 36.783,24.608 36.8,24.634 36.806,24.663 36.806,26.162 36.8,26.192 36.783,26.217 36.758,26.234 36.728,26.24 36.716,26.237 36.703,26.24 34.901,26.24 34.901,27.151 36.728,27.151 36.758,27.157 36.783,27.174 36.8,27.199 36.806,27.229 36.806,29.286 36.8,29.316 36.783,29.341 36.758,29.358 36.728,29.364 24.792,29.364 24.792,35.763 24.786,35.793 24.769,35.818 24.744,35.835 24.714,35.841 23.266,35.841 23.237,35.835 23.211,35.818 23.195,35.793 23.189,35.763 23.189,15.902 17.705,15.902 17.705,18.136 17.699,18.165 17.682,18.191 17.657,18.207 17.628,18.213 14.376,18.213 14.347,18.207 14.321,18.191 14.305,18.165 14.299,18.136 14.299,15.876 0.51,15.876 0.51,21.639 15.494,21.639 15.524,21.645 15.549,21.662 15.566,21.687 15.572,21.717 15.572,28.319 22.073,28.319 22.102,28.325 22.127,28.342 22.144,28.367 22.15,28.397 22.15,36.346 34.238,36.346 34.238,30.251 34.244,30.222 34.26,30.196 34.286,30.18 34.315,30.174 46.38,30.174 46.41,30.18 46.435,30.196 46.452,30.222 46.458,30.251 46.458,43.102 51.408,43.102

## Keep-outs
Keep-Out Layer:
  the board outline again, w0.25

## Other copper
TOP:
  rectangle net GND: 12.776,21.692 15.062,23.139
  rectangle net GND: 5.68,21.759 7.966,23.207
  rectangle net GND: 3.759,11.955 5.389,13.403
  pour cut-out: 7.877,17.755 6.985,17.755 6.985,16.383 7.877,16.383 7.877,16.231 7.889,13.843 10.312,13.843 10.312,14.3 10.922,14.3 10.922,13.843 13.818,13.843 13.818,14.402 13.589,14.402 13.589,14.681 13.818,14.681 13.818,19.736 13.437,19.736 13.437,19.533 12.802,19.533 12.802,19.736 8.839,19.736 8.839,19.533 8.204,19.533 8.204,19.406 7.861,19.406 7.869,17.856 7.877,17.856
  text "Layer" at 83.005,55.458 h1.36
  text "Name" at 92.354,55.458 h1.36
  text "Material" at 113.491,55.458 h1.36
  text "Thickness" at 133.041,55.458 h1.36
  text "Constant" at 147.831,55.458 h1.36
  text "Board Layer Stack" at 160.807,55.458 h1.36
  text "Top Overlay" at 92.354,52.737 h1.36
  text "Top Solder" at 92.354,50.016 h1.36
  text "Solder Resist" at 113.491,50.016 h1.36
  text "0,40mil" at 133.041,50.016 h1.36
  text "3.5" at 147.831,50.016 h1.36
  text "1" at 83.005,47.295 h1.36
  text "TOP" at 92.354,47.295 h1.36
  text "0,69mil" at 133.041,47.295 h1.36
  text "Dielectric 2" at 92.354,44.574 h1.36
  text "PP-015" at 113.491,44.574 h1.36
  text "4,06mil" at 133.041,44.574 h1.36
  text "4.45" at 147.831,44.574 h1.36
  text "2" at 83.005,41.853 h1.36
  text "GND[1]" at 92.354,41.853 h1.36
  text "1,38mil" at 133.041,41.853 h1.36
  text "Dielectric 3" at 92.354,39.132 h1.36
  text "PP-006" at 113.491,39.132 h1.36
  text "9,06mil" at 133.041,39.132 h1.36
  text "4.6" at 147.831,39.132 h1.36
  text "3" at 83.005,36.411 h1.36
  text "VDD[1]" at 92.354,36.411 h1.36
  text "1,38mil" at 133.041,36.411 h1.36
  text "Dielectric 4" at 92.354,33.69 h1.36
  text "PP-023" at 113.491,33.69 h1.36
  text "7,72mil" at 133.041,33.69 h1.36
  text "4.74" at 147.831,33.69 h1.36
  text "4" at 83.005,30.969 h1.36
  text "Signal[1]" at 92.354,30.969 h1.36
  text "1,38mil" at 133.041,30.969 h1.36
  text "Dielectric 5" at 92.354,28.248 h1.36
  text "PP-006" at 113.491,28.248 h1.36
  text "9,06mil" at 133.041,28.248 h1.36
  text "4.6" at 147.831,28.248 h1.36
  text "5" at 83.005,25.527 h1.36
  text "GND[2]" at 92.354,25.527 h1.36
  text "1,38mil" at 133.041,25.527 h1.36
  text "+" at 1.016,24.79 h0.76
  text "Dielectric 1" at 92.354,22.805 h1.36
  text "PP-023" at 113.491,22.805 h1.36
  text "7,72mil" at 133.041,22.805 h1.36
  text "4.74" at 147.831,22.805 h1.36
  text "-" at 0.94,22.073 h0.76
  text "6" at 83.005,20.084 h1.36
  text "VDD[2]" at 92.354,20.084 h1.36
  text "1,38mil" at 133.041,20.084 h1.36
  text "Dielectric 6" at 92.354,17.363 h1.36
  text "PP-006" at 113.491,17.363 h1.36
  text "9,06mil" at 133.041,17.363 h1.36
  text "4.6" at 147.831,17.363 h1.36
  text "7" at 83.005,14.642 h1.36
  text "Signal[2]" at 92.354,14.642 h1.36
  text "1,38mil" at 133.041,14.642 h1.36
  text "Dielectric 7" at 92.354,11.921 h1.36
  text "PP-023" at 113.491,11.921 h1.36
  text "7,72mil" at 133.041,11.921 h1.36
  text "4.74" at 147.831,11.921 h1.36
  text "8" at 83.005,9.2 h1.36
  text "GND[3]" at 92.354,9.2 h1.36
  text "1,38mil" at 133.041,9.2 h1.36
  text "Dielectric 8" at 92.354,6.479 h1.36
  text "PP-006" at 113.491,6.479 h1.36
  text "9,06mil" at 133.041,6.479 h1.36
  text "4.6" at 147.831,6.479 h1.36
  text "9" at 83.005,3.758 h1.36
  text "VDD[3]" at 92.354,3.758 h1.36
  text "1,38mil" at 133.041,3.758 h1.36
  text "Dielectric 9" at 92.354,1.037 h1.36
  text "PP-015" at 113.491,1.037 h1.36
  text "4,06mil" at 133.041,1.037 h1.36
  text "4.45" at 147.831,1.037 h1.36
  text "10" at 83.005,-1.684 h1.36
  text "BOT" at 92.354,-1.684 h1.36
  text "0,69mil" at 133.041,-1.684 h1.36
  text "Bottom Solder" at 92.354,-4.405 h1.36
  text "Solder Resist" at 113.491,-4.405 h1.36
  text "0,40mil" at 133.041,-4.405 h1.36
  text "3.5" at 147.831,-4.405 h1.36
  text "Bottom Overlay" at 92.354,-7.126 h1.36
VDD[2] (plane layer: these items are gaps in the copper):
  lines w0.152: 26.187,22.098 26.187,23.546 20.93,23.546 20.93,19.075 33.757,19.075 33.757,22.149 33.757,34.874 41.097,34.874 41.097,38.598 54.559,38.598 54.559,43.078 52.807,43.078 52.807,42.393 51.206,42.393 37.643,42.393 37.643,37.744 29.873,37.744 29.873,26.063 29.873,22.098 22.733,22.098 22.733,22.987 21.844,22.987 21.844,20.066 26.086,20.066 32.106,20.066 32.106,24.257 32.106,36.652 38.989,36.652 38.989,37.744 38.989,40.208 52.807,40.208 52.807,42.24
VDD[1] (plane layer: these items are gaps in the copper):
  lines w0.051: 22.454,26.543 23.419,26.543 ; 23.495,27.635 23.495,27.661
  lines w0.152: 20.828,24.841 33.477,24.841 33.477,27.635 25.832,27.635 25.832,26.568 20.853,26.568 20.853,24.841 10.084,24.841 10.084,26.391 19.736,26.391 19.736,27.635 20.269,27.635 20.498,27.407 22.327,27.407 22.555,27.635 23.495,27.635 23.495,26.568 ; 10.236,28.524 10.236,36.474 12.573,36.474 12.573,30.988 18.694,30.988 18.694,31.623 18.694,35.992 20.904,35.992 20.904,33.579 20.142,33.579 20.142,32.715 20.879,32.715 20.879,29.693 14.859,29.693 14.859,28.524 10.236,28.524 ; 20.066,15.392 20.066,16.535 24.384,20.853 25.883,20.853 27.051,22.022 27.864,22.022 28.829,22.022 28.829,18.313 28.829,15.392 20.066,15.392 ; 49.505,23.114 49.505,25.578 49.505,26.467 55.88,26.467 55.88,23.114 51.562,23.114 49.505,23.114
VDD[3] (plane layer: these items are gaps in the copper):
  lines w0.152: 0.025,5.359 2.692,5.359 8.839,5.359 8.839,12.7 25.832,12.7 25.832,21.184 34.747,21.184 ; 0.051,15.799 14.376,15.799 14.376,18.136 17.628,18.136 17.628,15.85 ; 0.051,21.717 15.494,21.717 15.494,28.397 22.073,28.397 22.073,36.424 34.315,36.424 34.315,30.251 46.38,30.251 46.38,43.18 51.486,43.18 51.486,42.037 ; 17.628,15.824 23.266,15.824 23.266,35.763 24.714,35.763 24.714,29.286 36.728,29.286 36.728,27.229 34.823,27.229 34.823,26.162 36.703,26.162 ; 36.728,26.162 36.728,24.663 34.747,24.663 34.747,21.184 ; 36.957,24.155 36.957,23.851 36.957,21.184 34.747,21.184 ; 36.957,24.181 37.719,24.181 37.719,29.312 48.285,29.312 48.285,41.631 51.486,41.631 51.486,42.113
Multi-Layer:
  circle w0.254: c5.156,42.774 r1
  circle w0.254: c62.459,42.774 r1
  circle w0.254: c62.459,6.198 r1
  pour cut-out: 25.07,30.582 25.527,30.582 25.527,29.972 25.07,29.972 25.07,16.434 41.605,16.434 41.605,33.172 25.07,33.172
  pour cut-out: 50.368,11.201 51.308,11.201 51.308,10.16 55.372,10.16 55.372,14.961 50.368,14.961
  pour cut-out: 41.605,32.334 48.844,32.334 48.844,19.126 41.605,19.126
  pour cut-out: 48.844,32.791 56.947,32.791 56.947,19.126 48.844,19.126

## Silkscreen, mask and mechanical layers (free items; w line width, h text height)
Top Overlay:
  lines w0.102: 4.293,18.186 4.293,19.101 ; 4.293,20.168 4.293,19.101 ; 4.318,19.101 4.293,19.101 ; 10.211,25.781 10.211,27.711 ; 14.698,29.501 14.707,29.501 14.707,29.261 ; 16.815,14.072 17.069,14.072 ; 16.815,15.977 17.069,15.977 ; 17.805,30.201 19.507,30.201 ; 17.907,26.187 17.907,28.118 ; 18.948,26.187 18.948,28.118 ; 19.939,26.162 19.939,28.092
  lines w0.152: 64.135,31.369 64.16,8.128
  text "Made by: Santiago Rodriguez / santiagtms@gmail.com" at 27.737,33.655 h0.8
  text "+" at 1.27,24.155 h0.76
  text "-" at 1.27,21.743 h0.76
Bottom Overlay:
  lines w0.102: 27.026,29.667 27.915,29.667 27.915,30.378 ; 28.727,28.804 28.727,29.54 29.642,29.54 ; 31.496,25.425 32.563,25.425 32.563,23.825 ; 32.791,21.92 33.02,21.92 ; 33.198,26.289 33.223,26.289 33.223,25.552 33.426,25.552 ; 34.368,22.911 34.544,22.911 ; 36.093,22.047 36.093,22.758 36.297,22.758
  text "Made by: Santiago Rodriguez / santiagtms@gmail.com" at 40.716,9.525 h0.8
Drill Drawing:
  circle w0.254: c-25.632,95.893 r0.847
  lines w0.254: -26.479,76.843 -25.632,75.997 -24.785,76.843 -25.632,77.69 -26.479,76.843 ; -26.479,80.23 -26.055,80.23 -25.632,79.807 -25.209,80.23 -24.785,80.23 -25.209,80.653 -24.785,81.077 -25.209,81.077 -25.632,81.5 -26.055,81.077 -26.479,81.077 -26.055,80.653 -26.479,80.23 ; -26.479,83.617 -26.479,84.04 -26.055,84.463 -26.479,84.887 -26.479,85.31 -26.055,85.31 -25.632,84.887 -25.209,85.31 -24.785,85.31 -24.785,84.887 -25.209,84.463 -24.785,84.04 -24.785,83.617 -25.209,83.617 -25.632,84.04 -26.055,83.617 -26.479,83.617 ; -26.479,89.12 -24.785,89.12 -25.632,87.427 -26.479,89.12 ; -26.479,91.237 -24.785,91.237 -24.785,92.93 -26.479,92.93 -26.479,91.237
  lines w0.381: -27.997,74.854 309.271,74.854 ; -27.997,97.714 309.271,97.714 ; -14.005,71.044 -14.005,101.524 ; 1.739,71.044 1.739,101.524 ; 30.178,71.044 30.178,101.524 ; 43.028,71.044 43.028,101.524 ; 61.666,71.044 61.666,101.524 ; 91.883,71.044 91.883,101.524 ; 106.866,71.044 106.866,101.524 ; 125.809,71.044 125.809,101.524 ; 156.026,71.044 156.026,101.524 ; 177.712,71.044 177.712,101.524 ; 211.585,71.044 211.585,101.524 ; 245.459,71.044 245.459,101.524 ; 273.645,71.044 273.645,101.524 ; -27.997,71.044 309.271,71.044 309.271,101.524 -27.997,101.524 -27.997,71.044
  text "Symbol" at -25.711,98.857 h1.83
  text "Count" at -12.862,98.857 h1.83
  text "Hole Size" at 2.882,98.857 h1.83
  text "Plated" at 31.321,98.857 h1.83
  text "Hole Type" at 44.171,98.857 h1.83
  text "Drill Layer Pair" at 62.809,98.857 h1.83
  text "Via/Pad" at 93.026,98.857 h1.83
  text "Pad Shape" at 108.009,98.857 h1.83
  text "Template" at 126.952,98.857 h1.83
  text "Description" at 157.169,98.857 h1.83
  text "Hole Tolerance (+)" at 178.855,98.857 h1.83
  text "Hole Tolerance (-)" at 212.728,98.857 h1.83
  text "Hole Length" at 246.602,98.857 h1.83
  text "Routed Path Length" at 274.788,98.857 h1.83
  text "2" at -12.862,95.047 h1.52
  text "23,62mil (0,600mm)" at 2.882,95.047 h1.52
  text "PTH" at 31.321,95.047 h1.52
  text "Slot" at 44.171,95.047 h1.52
  text "TOP - BOT" at 62.809,95.047 h1.52
  text "Pad" at 93.026,95.047 h1.52
  text "Rounded" at 108.009,95.047 h1.52
  text "r180_90h60_140r100" at 126.952,95.047 h1.52
  text "55,12mil (1,400mm)" at 246.602,95.047 h1.52
  text "31,50mil (0,800mm)" at 274.788,95.047 h1.52
  text "2" at -12.862,91.237 h1.52
  text "23,62mil (0,600mm)" at 2.882,91.237 h1.52
  text "PTH" at 31.321,91.237 h1.52
  text "Slot" at 44.171,91.237 h1.52
  text "TOP - BOT" at 62.809,91.237 h1.52
  text "Pad" at 93.026,91.237 h1.52
  text "Rounded" at 108.009,91.237 h1.52
  text "r210_105h60_170r100" at 126.952,91.237 h1.52
  text "66,93mil (1,700mm)" at 246.602,91.237 h1.52
  text "43,31mil (1,100mm)" at 274.788,91.237 h1.52
  text "2" at -12.862,87.427 h1.52
  text "25,59mil (0,650mm)" at 2.882,87.427 h1.52
  text "NPTH" at 31.321,87.427 h1.52
  text "Round" at 44.171,87.427 h1.52
  text "TOP - BOT" at 62.809,87.427 h1.52
  text "Pad" at 93.026,87.427 h1.52
  text "Rounded" at 108.009,87.427 h1.52
  text "c65hn65" at 126.952,87.427 h1.52
  text "-" at 246.602,87.427 h1.52
  text "-" at 274.788,87.427 h1.52
  text "2" at -12.862,83.617 h1.52
  text "35,43mil (0,900mm)" at 2.882,83.617 h1.52
  text "PTH" at 31.321,83.617 h1.52
  text "Round" at 44.171,83.617 h1.52
  text "TOP - BOT" at 62.809,83.617 h1.52
  text "Pad" at 93.026,83.617 h1.52
  text "Rounded" at 108.009,83.617 h1.52
  text "c150h90m150" at 126.952,83.617 h1.52
  text "-" at 246.602,83.617 h1.52
  text "-" at 274.788,83.617 h1.52
  text "4" at -12.862,79.807 h1.52
  text "86,61mil (2,200mm)" at 2.882,79.807 h1.52
  text "PTH" at 31.321,79.807 h1.52
  text "Round" at 44.171,79.807 h1.52
  text "TOP - BOT" at 62.809,79.807 h1.52
  text "Pad" at 93.026,79.807 h1.52
  text "Rectangle" at 108.009,79.807 h1.52
  text "s250h220m250" at 126.952,79.807 h1.52
  text "-" at 246.602,79.807 h1.52
  text "-" at 274.788,79.807 h1.52
  text "1099" at -12.862,75.997 h1.52
  text "9,84mil (0,250mm)" at 2.882,75.997 h1.52
  text "PTH" at 31.321,75.997 h1.52
  text "Round" at 44.171,75.997 h1.52
  text "TOP - BOT" at 62.809,75.997 h1.52
  text "Via" at 93.026,75.997 h1.52
  text "Rounded" at 108.009,75.997 h1.52
  text "(Mixed)" at 126.952,75.997 h1.52
  text "-" at 246.602,75.997 h1.52
  text "-" at 274.788,75.997 h1.52
  text "1111 Total" at -12.862,72.187 h1.52
  text "Slot definitions :" at -25.711,68.504 h1.52
  text "Routed Path Length" at 0.519,68.504 h1.52
  text "= Calculated from tool start centre position to tool end centre position." at 28.527,68.504 h1.52
  text "Hole Length" at 0.519,65.965 h1.52
  text "= Routed Path Length + Tool Size = Slot length as defined in the PCB layout" at 18.116,65.965 h1.52